# Altium PCB MB1397.PcbDoc (part 9 of 11) (continued)
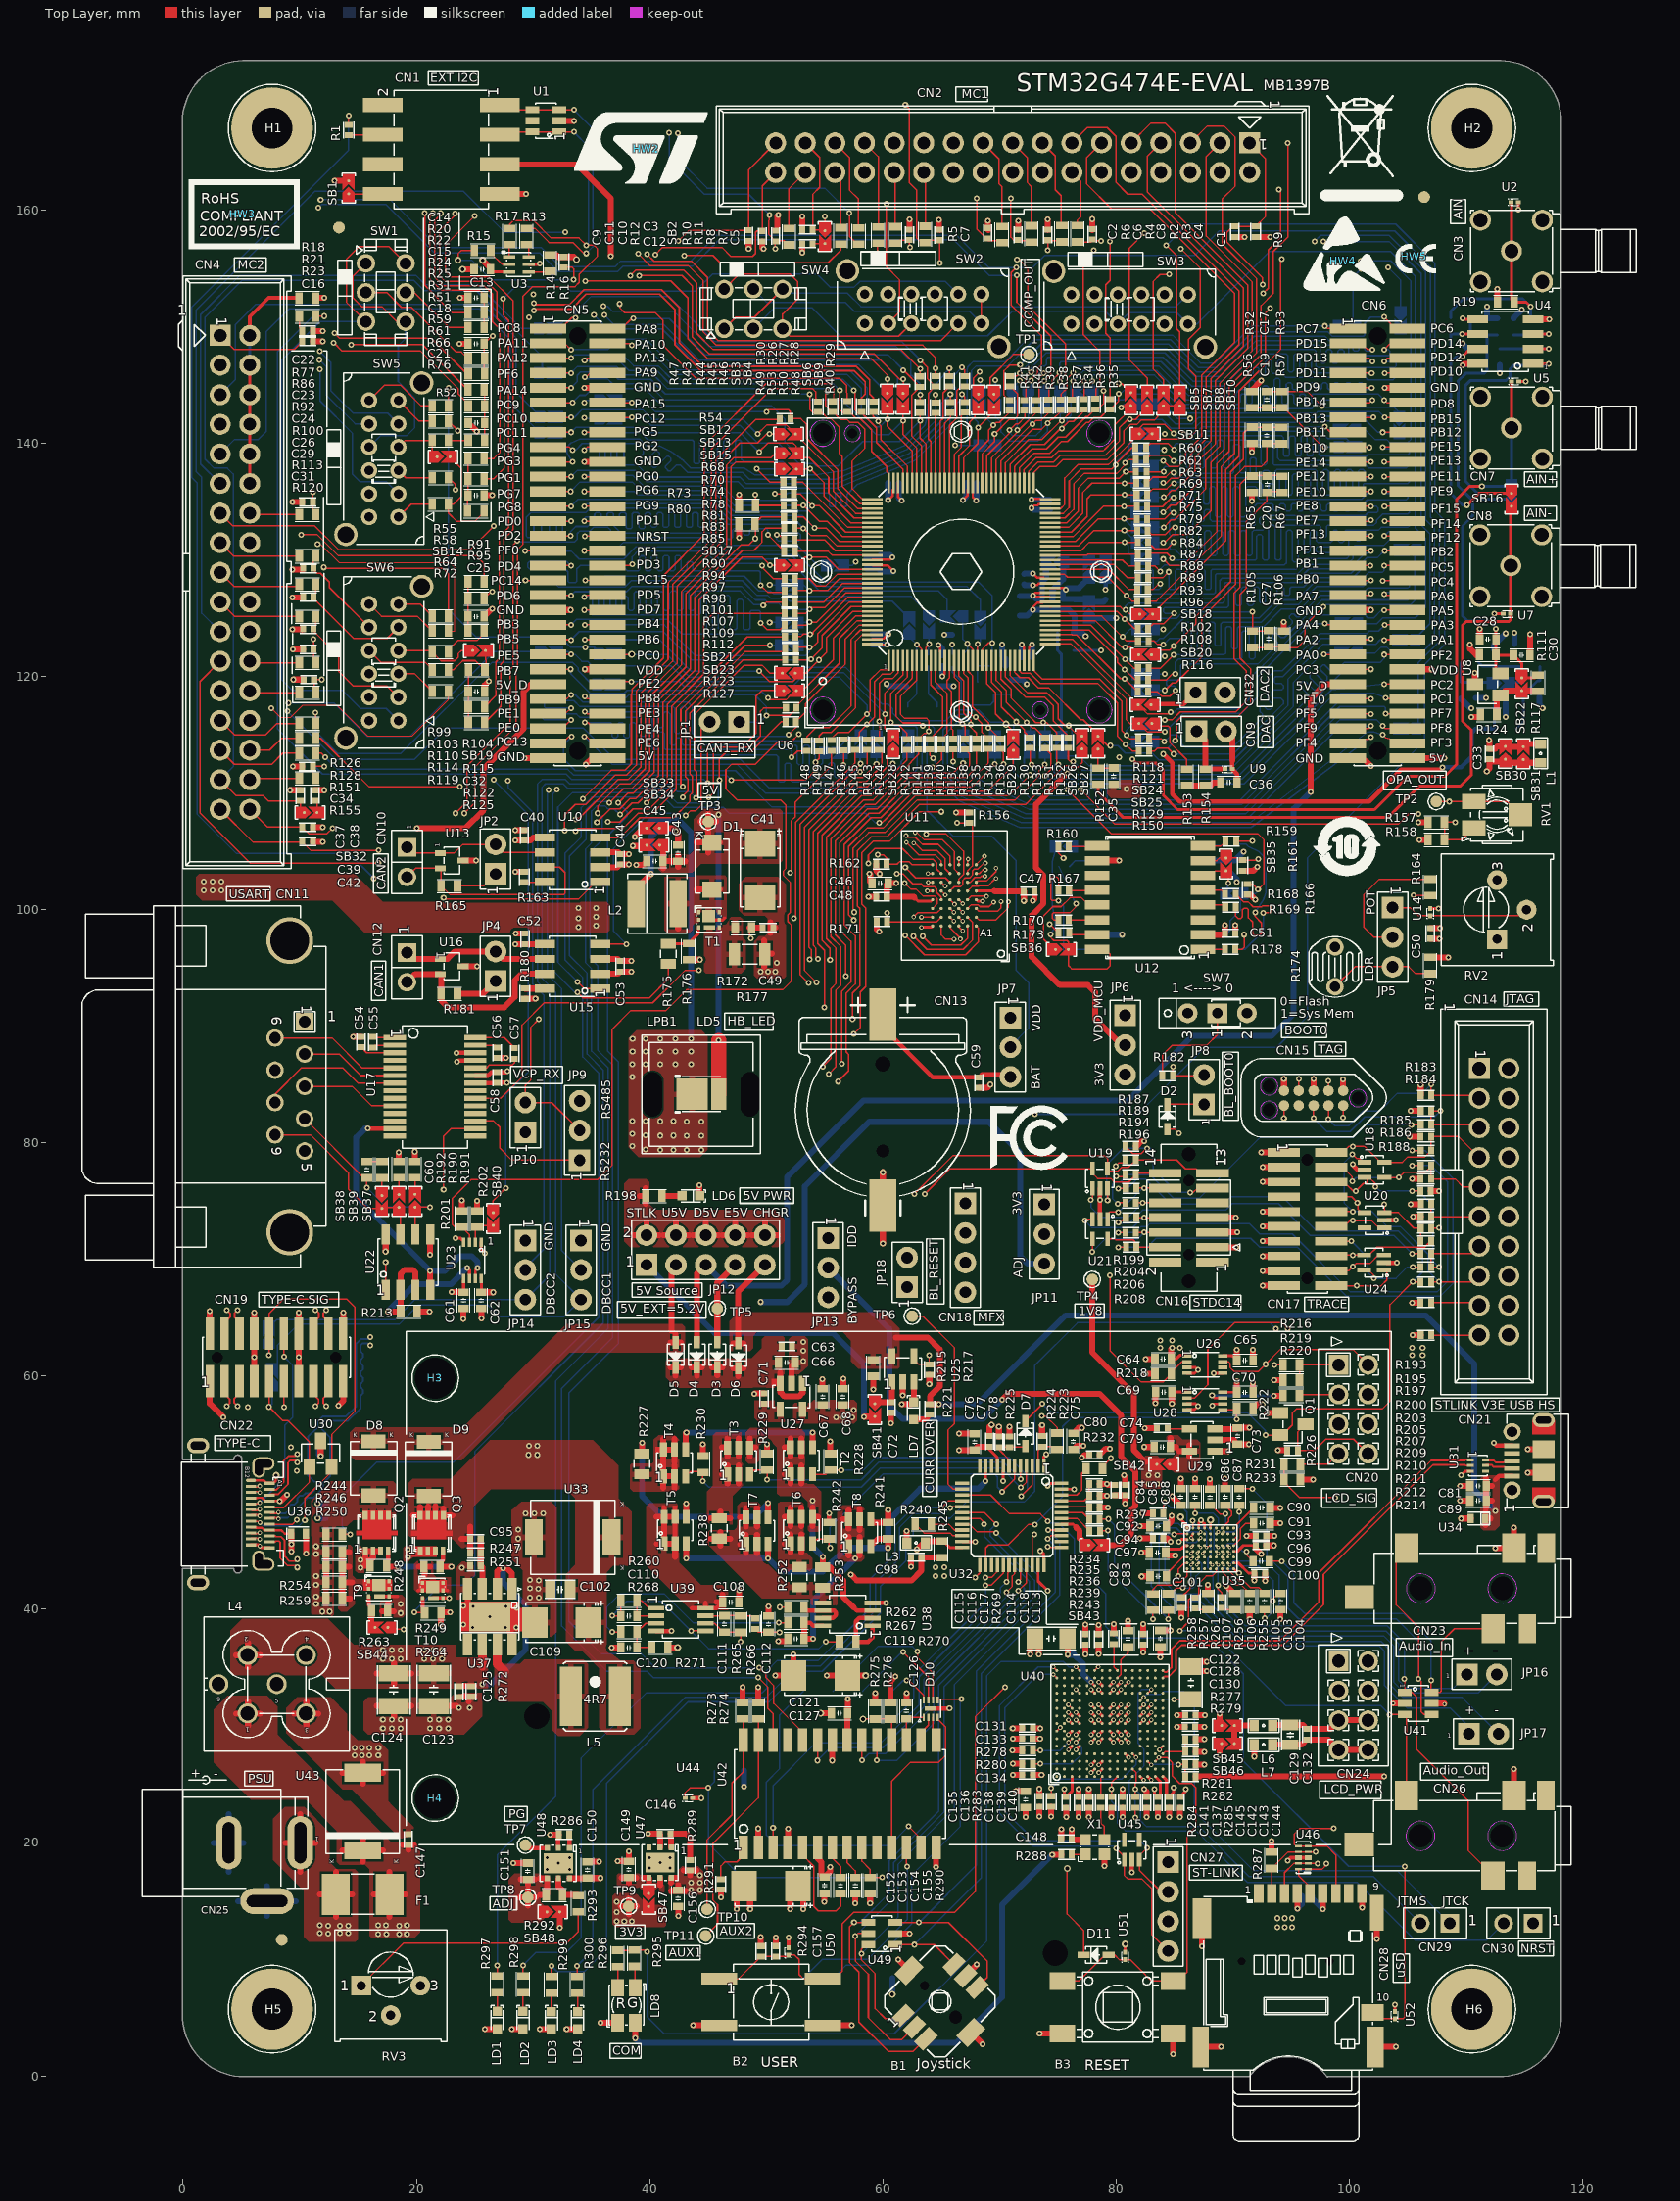
[diagram p0: Top Layer view]
## Nets (pads, with @x,y where several pads share a name; then routed paths per layer and width w, separated by ;. In a path a pad name is that pad's centre, name@x,y a point inside that pad or via, vN(x,y) a via of type N, cw(c..) or ccw(c..) an arc to the next point about the centre after c; other vN are vias at no path point) (continued)
  Bottom Layer w0.127: v1(75.352,141.912) v1@75.184,142.08 ; v1@75.184,142.08 75.184,143.121 SB56.2@75.183,143.123 75.181,142.083 v1@75.184,142.08
PD10: R38.1 SB60.2 U6.72 | length 16.5
  Top Layer w0.127: U6.72@70.103,136.586 70.104,136.586 70.104,138.43 70.122,138.448 70.122,138.46 72.809,141.148 72.822,141.148 72.837,141.163 73.576,141.163 v1(74.122,141.712) 74.483,142.072 74.612,142.072 R38.1@75.26,142.718
  Bottom Layer w0.127: SB60.2@69.647,143.064 69.647,142.257 70.126,141.779 70.126,140.941 70.884,140.183 73.304,140.183 74.122,141 v1(74.122,141.712)
PD11: R39.1 SB58.2 U6.73 | length 9.9
  Top Layer w0.127: U6.73@69.703,136.586 69.703,138.582 72.662,141.544 72.664,141.544 72.753,141.633 v1(72.822,141.633) 73.139,141.95 73.581,141.95 74.247,142.613 R39.1@74.247,142.707
  Bottom Layer w0.127: SB58.2@72.479,143.116 72.479,141.976 v1(72.822,141.633)
PD12: R42.1 SB59.2 U6.74 | length 10
  Top Layer w0.127: U6.74@69.303,136.586 69.301,138.722 71.511,140.932 v1(71.511,141.107) 71.625,141.221 71.745,141.221 73.203,142.677 R42.1@73.203,142.679
  Bottom Layer w0.127: SB59.2@71.096,143.116 71.095,143.116 71.511,142.7 v1(71.511,141.107)
PD13: R41.1 SB57.2 U6.75 | length 12.9
  Top Layer w0.127: U6.75@68.903,136.586 68.903,138.9 70.838,140.838 v1(70.838,141.094) 71.371,141.628 71.575,141.628 72.154,142.207 R41.1@72.154,142.677
  Bottom Layer w0.127: v1(70.838,141.094) 70.838,140.896 71.095,140.64 73.127,140.64 73.581,141.094 73.581,142.866 SB57.2@73.831,143.116
PD14: R29.1 SB70.2 U6.76 | length 11
  Top Layer w0.127: U6.76@68.503,136.586 68.504,136.586 68.504,139.065 69.568,140.129 v1(69.568,140.764) 70.836,142.032 71.267,142.032 71.524,142.291 71.524,144.242 R29.1@70.927,144.836
  Bottom Layer w0.127: SB70.2@69.532,139.748 69.532,140.729 v1(69.568,140.764)
PD15: R40.1 SB61.2 U6.77 | length 9.4
  Top Layer w0.127: U6.77@68.103,136.586 68.102,139.299 69.06,140.259 69.06,141.112 v1(69.469,141.521) 69.705,141.755 69.98,141.755 70.9,142.678 70.902,142.679 R40.1@70.902,142.677
  Bottom Layer w0.127: SB61.2@68.329,143.076 68.331,143.076 68.331,142.662 v1(69.469,141.521)
PD_DBCC1: JP15.2 SB54.1 | length 125.5
  L4_SIG w0.102: v1(31.341,110.259) 31.112,110.03 26.388,110.03 24.635,111.783 24.635,139.57 31.493,146.428 31.493,148.717 32.916,150.139 32.916,151.229 33.373,151.686 35.4,151.686 v1(36.101,150.985)
  Bottom Layer w0.127: v1(31.341,110.259) 31.239,110.157 31.239,94.409 32.459,93.19 32.459,70.744 JP15.2@34.117,69.088 ; v1(36.101,150.985) 36.924,150.162 41.201,150.162 44.282,147.081 59.873,147.081 61.237,145.717 61.237,144.734 SB54.1@61.721,144.251
PD_DBCC2: JP14.2 SB53.1 | length 120
  L4_SIG w0.102: v1(27.849,111.046) 27.468,110.665 26.261,110.665 24.94,111.986 24.94,139.266 31.941,146.266 31.941,148.735 33.221,150.012 33.221,150.975 33.627,151.381 34.821,151.381 v1(35.215,150.988)
  Bottom Layer w0.127: v1(27.849,111.046) 27.849,110.475 29.982,108.341 29.982,93.609 30.935,92.657 30.935,70.884 JP14.2@29.337,69.286 ; v1(35.215,150.988) 36.421,149.781 41.044,149.781 44.125,146.7 57.953,146.7 SB53.1@60.376,144.28 SB53.1@60.376,144.277
PE0: R148.2 U6.125 | length 13.1
  Top Layer w0.127: R148.2@53.467,114.488 53.467,114.811 54.259,115.603 55.402,115.603 57.277,117.478 57.277,123.175 58.067,123.965 U6.125@59.083,123.966
PE1: R149.2 U6.126 | length 11.5
  Top Layer w0.127: R149.2@54.534,114.471 54.534,114.889 54.834,115.189 55.55,115.189 57.658,117.297 57.658,123.015 58.209,123.566 U6.126@58.644,123.566
PE2: CN5.50 R147.2 SB103.2 SB111.2 U6.1 | length 38.3
  Top Layer w0.127: CN5.50@36.385,119.331 37.541,119.329 37.755,119.543 v1(38.415,119.543) ; R147.2@55.601,114.521 55.601,114.691 56.096,115.189 57.074,115.189 v1(58.646,116.761) 58.903,117.018 58.903,119.685 59.764,120.546 60.376,120.546 60.503,120.673 U6.1@60.503,121.346
  Bottom Layer w0.127: SB103.2@36.896,119.304 37.135,119.543 v1(38.415,119.543) 42.53,119.543 42.898,119.174 52.294,119.174 52.662,119.543 52.664,119.543 53.058,119.936 56.233,119.936 58.646,117.523 v1(58.646,116.761) 59.154,116.253 59.154,115.098 59.446,114.805 SB111.2@59.446,114.803
PE3: R145.2 R146.2 SB110.2 SB118.2 U6.2 | length 13
  Top Layer w0.127: R146.2@56.617,114.555 57.589,114.554 57.988,114.953 57.988,115.219 v1(58.644,115.875) 59.284,116.515 59.284,119.525 59.921,120.165 60.65,120.165 60.902,120.416 U6.2@60.903,121.346
  Bottom Layer w0.127: SB118.2@56.353,113.411 56.352,114.01 57.158,114.816 58.09,114.816 SB110.2@58.09,114.813 ; 58.09,115.321 v1(58.644,115.875)
PE4: R143.2 R144.2 SB107.2 SB109.2 U6.3 | length 11.9
  Top Layer w0.127: R143.2@58.649,114.588 58.656,114.579 R144.2@59.665,114.581 59.685,114.6 v1(59.685,116.129) 59.685,119.388 60.081,119.784 60.81,119.784 61.303,120.277 U6.3@61.303,121.346
  Bottom Layer w0.127: v1(59.685,116.129) 60.858,114.955 ; SB107.2@60.858,114.824 62.202,114.823 SB109.2@62.202,114.821
PE5: CN5.45 SB28.2 SB97.2 U6.4 | length 40.5
  Top Layer w0.127: CN5.45@31.285,121.871 v1(33.246,121.869) ; SB28.2@60.858,114.824 60.17,115.512 v1(60.17,116.761) 60.17,118.557 61.702,120.089 U6.4@61.703,121.346
  Bottom Layer w0.127: SB97.2@31.941,122.095 33.023,122.095 v1(33.246,121.869) 33.599,121.869 34.183,121.285 34.671,121.285 35.052,120.904 41.808,120.904 43.157,119.555 52.136,119.555 52.898,120.317 56.614,120.317 v1(60.17,116.761)
PE6: CN5.58 R142.2 U6.5 | length 47.7
  Top Layer w0.127: v1(34.414,114.831) 34.618,114.831 35.199,114.249 CN5.58@36.385,114.251 ; R142.2@62.052,114.605 62.052,115.108 61.338,115.821 60.907,115.821 v1(60.703,116.025) 60.678,116.05 60.678,118.524 62.103,119.949 U6.5@62.103,121.346
  Bottom Layer w0.127: v1(34.414,114.831) 36.777,112.469 47.445,112.469 49.959,109.954 60.856,109.954 62.939,112.037 62.939,115.567 62.761,115.745 60.983,115.745 v1(60.703,116.025)
PE7: R84.2 SB83.2 U6.53 | length 9.9
  Top Layer w0.127: U6.53@74.323,130.766 74.323,130.767 76.967,130.767 77.694,131.491 v1@80.721,131.491 ; v1(80.726,131.496) v1@80.721,131.491 ; R84.2@81.837,131.489 81.785,131.491 v1@80.721,131.491
  Bottom Layer w0.127: v1(80.726,131.496) 81.018,131.204 81.018,130.64 81.613,130.045 SB83.2@81.879,130.046
PE8: R82.2 SB79.2 U6.54 | length 9.6
  Top Layer w0.127: U6.54@74.323,131.166 74.325,131.168 74.341,131.186 76.766,131.186 78.064,132.481 v1@80.696,132.481 ; v1(80.696,132.486) v1@80.696,132.481 ; R82.2@81.8,132.48 81.75,132.481 v1@80.696,132.481
  Bottom Layer w0.127: v1(80.696,132.486) 81.275,131.905 81.432,131.905 SB79.2@81.867,131.47
PE9: R79.2 SB78.2 U6.55 | length 9.7
  Top Layer w0.127: U6.55@74.323,131.566 74.323,131.567 76.528,131.567 78.458,133.497 v1(80.67,133.497) 81.702,133.497 R79.2@81.761,133.473
  Bottom Layer w0.127: v1(80.67,133.497) 81.402,132.766 SB78.2@81.867,132.766
PE10: R75.2 SB77.2 U6.56 | length 10
  Top Layer w0.127: U6.56@74.323,131.966 76.297,131.966 78.918,134.587 v1@80.67,134.587 ; v1(80.67,134.569) v1@80.67,134.587 ; R75.2@81.758,134.536 R75.2@81.758,134.587 ; R75.2@81.77,134.587 R75.2@81.758,134.587 ; v1@80.67,134.587 R75.2@81.758,134.587
  Bottom Layer w0.127: v1(80.67,134.569) 80.823,134.417 81.41,134.417 SB77.2@81.852,133.975
PE11: R71.2 SB76.2 U6.57 | length 10.8
  Top Layer w0.127: U6.57@74.323,132.366 76.154,132.364 77.495,133.706 77.495,135.207 77.848,135.56 v1(80.721,135.56) R71.2@81.744,135.56
  Bottom Layer w0.127: v1(80.721,135.56) 80.924,135.357 SB76.2@81.85,135.357
PE12: R69.2 SB74.2 U6.58 | length 11.2
  Top Layer w0.127: U6.58@74.323,132.766 75.928,132.766 77.114,133.952 77.114,135.738 77.927,136.55 v1(80.721,136.55) R69.2@81.719,136.55
  Bottom Layer w0.127: v1(80.721,136.55) 81.717,136.55 SB74.2@81.845,136.679
PE13: R63.2 SB73.2 U6.59 | length 11.1
  Top Layer w0.127: U6.59@74.323,133.166 74.323,133.167 75.789,133.167 76.733,134.112 76.733,136.119 77.572,136.957 80.239,136.957 v1(80.823,137.541) R63.2@81.699,137.541
  Bottom Layer w0.127: v1(80.823,137.541) 80.874,137.541 81.349,138.016
PE14: R62.2 SB72.2 U6.60 | length 12.5
  Top Layer w0.127: U6.60@74.323,133.566 75.611,133.566 76.352,134.308 76.352,136.497 77.241,137.386 80.033,137.386 80.767,138.12 v1(80.767,138.3) 81.049,138.582 R62.2@81.668,138.582
  Bottom Layer w0.127: v1(80.767,138.3) 80.767,138.501 81.636,139.37 SB72.2@81.899,139.37
PE15: R60.2 SB69.2 U6.61 | length 14.7
  Top Layer w0.127: U6.61@74.323,133.966 75.468,133.965 75.971,134.468 75.971,136.756 76.987,137.771 79.628,137.771 v1(79.969,138.113) 80.033,138.176 80.033,138.275 81.331,139.573 R60.2@81.649,139.573
  Bottom Layer w0.127: v1(79.969,138.113) 80.033,138.176 80.033,138.402 81.11,139.479 81.11,139.914 ; 81.183,139.987 81.11,139.914 ; SB69.2@81.91,140.787 SB69.2@81.976,140.787 ; SB69.2@81.978,140.788 81.11,139.92 81.11,139.914
PF0: C172.1 R312.2 R317.2 SB82.1 U6.19 | length 6.3
  Top Layer w0.127: v1(67.246,122.784) 67.704,122.329 67.704,121.346 U6.19@67.703,121.346
  Bottom Layer w0.127: SB82.1@66.607,125.146 66.853,124.9 C172.1@66.853,123.571 66.853,123.177 v1(67.246,122.784) 67.246,122.26 66.853,121.867 R317.2@66.853,120.866
PF0_E: CN5.31 SB82.2 | length 42.2
  Top Layer w0.127: v1(29.309,130.734) 29.334,130.759 CN5.31@31.285,130.761
  Bottom Layer w0.127: v1(29.309,130.734) 30.742,130.734 30.742,130.731 31.841,130.731 31.841,130.734 31.976,130.734 31.976,130.731 33.274,130.731 33.957,130.048 37.77,130.048 38.834,131.112 44.882,131.112 45.946,130.048 51.836,130.048 54.582,127.302 64.773,127.302 65.507,126.568 SB82.2@65.507,125.146
PF1: R313.2 SB81.2 U6.20 | length 3.5
  Top Layer w0.127: U6.20@68.103,121.346 v1(68.102,122.743)
  Bottom Layer w0.127: R313.2@68.103,121.796 v1(68.102,122.743) 68.351,122.992 SB81.2@68.351,123.811
PF1_E: CN5.32 SB81.1 | length 40
  Top Layer w0.127: v1(34.389,130.759) CN5.32@36.385,130.761
  Bottom Layer w0.127: v1(34.389,130.759) 34.44,130.81 37.071,130.81 37.755,131.493 45.184,131.493 46.248,130.429 52.09,130.429 54.836,127.683 67.223,127.683 68.351,126.555 SB81.1@68.351,124.911
PF2: R132.1 U6.26 | length 9.8
  Top Layer w0.127: U6.26@70.503,121.346 70.503,119.926 72.212,118.217 73.856,118.217 74.601,117.471 74.601,116.178 75.888,114.892 R132.1@75.888,114.75
PF3: R139.1 U6.10 | length 7.6
  Top Layer w0.127: R139.1@64.028,114.623 65.123,115.717 65.123,118.234 64.102,119.256 U6.10@64.103,121.346
PF4: R140.1 U6.11 | length 7.3
  Top Layer w0.127: U6.11@64.503,121.346 64.503,119.517 65.105,118.915 65.105,118.908 65.504,118.509 65.504,115.11 R140.1@65.016,114.623
PF5: R137.1 U6.14 | length 7
  Top Layer w0.127: U6.14@65.703,121.346 65.702,121.117 65.717,121.102 65.717,119.868 65.702,119.852 65.486,119.634 65.486,119.065 65.885,118.666 65.885,115.491 66.015,115.364 R137.1@66.015,114.648
PF6: CN5.7 R43.1 SB52.2 U6.97 | length 39.5
  Top Layer w0.127: CN5.7@31.285,146.001 31.285,146.002 v1(33.246,146.002) ; v1(55.235,144.447) 55.067,144.28 55.067,143.231 55.697,142.601 55.776,142.601 56.342,142.034 56.896,142.034 57.147,141.783 57.848,141.783 58.42,141.211 58.42,139.522 57.356,138.458 57.356,136.065 58.255,135.166 59.083,135.166 U6.97@59.083,135.166
  Bottom Layer w0.127: SB52.2@31.941,145.971 33.216,145.971 v1(33.246,146.002) 33.777,146.533 37.186,146.533 37.874,145.844 40.333,145.844 41.526,144.65 55.032,144.65 v1(55.235,144.447)
PF7: R138.1 SB108.2 U6.15 | length 8.2
  Top Layer w0.127: R138.1@67.039,114.648 67.038,115.689 v1(66.827,115.9) 66.548,116.18 66.548,119.456 66.472,119.532 66.472,119.537 66.103,119.906 U6.15@66.103,121.343 ; U6.15@66.103,121.343 U6.15@66.103,121.346 66.103,121.346 U6.15@66.103,121.343
  Bottom Layer w0.127: v1(66.827,115.9) 66.878,115.849 SB108.2@66.878,114.815
PF8: CN6.56 R135.1 SB106.2 U6.16 | length 59
  Top Layer w0.127: U6.16@66.503,121.346 66.502,120.043 66.929,119.616 66.929,116.83 67.539,116.215 v1(67.539,115.872) 67.539,115.616 68.016,115.138 R135.1@68.016,114.665 ; v1(102.842,115.745) 103.068,115.519 CN6.56@104.965,115.521
  Bottom Layer w0.127: v1(67.539,115.872) 67.539,115.976 67.165,116.35 66.667,116.35 66.662,116.345 66.642,116.345 65.529,115.232 65.529,112.006 66.822,110.714 72.235,108.227 91.13,108.227 99.157,116.253 102.334,116.253 v1(102.842,115.745) 103.066,115.519 SB106.2@104.365,115.521
PF9: CN6.55 R134.1 U6.17 | length 57.9
  Top Layer w0.127: U6.17@66.903,121.346 66.904,121.346 66.904,120.251 67.31,119.845 67.31,116.99 67.803,116.495 v1(67.937,116.495) 68.489,115.943 68.489,115.197 R134.1@69.012,114.674 ; CN6.55@99.865,115.521 101.6,115.519 v1(101.826,115.745)
  Bottom Layer w0.127: v1(67.937,116.495) 67.8,116.495 67.559,116.738 66.495,116.738 65.275,115.519 65.275,115.517 65.148,115.39 65.148,111.783 66.711,110.221 72.108,107.82 91.283,107.82 99.207,115.745 v1(101.826,115.745)
PF10: R136.1 SB112.2 U6.18 | length 8.9
  Top Layer w0.127: U6.18@67.303,121.346 67.302,120.426 67.691,120.038 67.691,117.371 69.06,116.002 v1(69.06,115.593) 69.091,115.593 69.218,115.466 69.218,115.463 70.015,114.666 70.028,114.666 R136.1@70.029,114.665
  Bottom Layer w0.127: v1(69.06,115.593) 69.604,115.049 SB112.2@69.604,114.757
PF11: CN6.31 R96.1 U6.48 | length 35
  Top Layer w0.127: U6.48@74.323,128.766 75.557,128.765 75.823,128.499 79.294,128.499 v1(80.871,126.921) ; CN6.31@99.865,130.761 v1(101.826,130.759) ; v1(80.871,126.921) 81.343,126.451 81.811,126.451 R96.1@81.812,126.451 81.341,126.449 v1(80.871,126.921)
  Bottom Layer w0.127: v1(80.871,126.921) 81.123,126.667 88.522,126.667 88.885,127.03 88.885,128.204 89.101,128.42 95.743,128.42 96.53,129.207 99.987,129.207 101.318,130.541 101.608,130.541 v1(101.826,130.759)
PF12: R93.1 U6.49 | length 8.2
  Top Layer w0.127: U6.49@74.323,129.166 74.323,129.167 79.345,129.167 81.054,127.455 R93.1@81.812,127.455
PF13: R89.1 U6.50 | length 8
  Top Layer w0.127: U6.50@74.323,129.566 79.84,129.565 80.962,128.443 81.791,128.443 R89.1@81.842,128.441
PF14: R88.1 U6.51 | length 7.7
  Top Layer w0.127: U6.51@74.323,129.966 74.323,129.967 80.536,129.967 81.041,129.459 81.785,129.459 R88.1@81.837,129.457
PF15: R87.1 U6.52 | length 7.6
  Top Layer w0.127: U6.52@74.323,130.366 77.457,130.366 77.561,130.47 81.803,130.47 R87.1@81.855,130.468
PG0: R48.1 U6.82 | length 6.4
  Top Layer w0.127: R48.1@67.003,142.624 66.708,142.329 66.708,142.11 66.698,142.1 66.698,139.609 66.103,139.014 U6.82@66.103,136.586 ; U6.82@66.103,136.586 U6.82@66.103,136.586 66.103,136.583 U6.82@66.103,136.586
PG1: R28.1 U6.83 | length 9
  Top Layer w0.127: U6.83@65.703,136.586 65.702,141.506 66.317,142.118 66.317,142.258 66.327,142.268 66.327,143.835 66.317,143.845 66.317,144.447 66.705,144.838 67.003,144.838 R28.1@67.003,144.838
PG2: R50.1 U6.84 | length 6.4
  Top Layer w0.127: U6.84@65.301,136.586 U6.84@65.303,136.586 65.303,141.707 65.786,142.189 R50.1@65.786,142.603 R50.1@65.786,142.827
PG3: R27.1 U6.85 | length 8.6
  Top Layer w0.127: U6.85@64.903,136.586 64.902,141.859 65.151,142.108 65.151,144.287 65.702,144.838 R27.1@65.703,144.838
PG4: R53.1 U6.86 | length 6
  Top Layer w0.127: R53.1@64.501,142.574 64.501,142.575 64.503,142.575 U6.86@64.503,136.586
PG5: R68.1 U6.103 | length 8.3
  Top Layer w0.127: R68.1@52.368,136.627 53.132,136.627 56.993,132.766 U6.103@59.083,132.766
PG6: CN5.24 R70.1 U6.104 | length 30.5
  Top Layer w0.127: v1(34.389,135.842) 36.386,135.842 CN5.24@36.385,135.841 ; R70.1@52.369,135.636 R70.1@52.369,135.636 52.906,135.636 v1(53.922,134.617) 54.552,134.617 56.805,132.364 U6.104@59.083,132.366
  Bottom Layer w0.127: v1(34.389,135.842) 38.677,135.842 38.961,135.557 45.789,135.557 47.186,134.16 53.464,134.16 v1(53.922,134.617)
PG7: CN5.23 R74.1 U6.105 | length 30.9
  Top Layer w0.127: CN5.23@31.285,135.841 31.285,135.842 v1(33.216,135.842) ; R74.1@52.394,134.645 v1(53.185,134.645) 54.534,133.297 55.212,133.297 56.543,131.966 U6.105@59.083,131.966
  Bottom Layer w0.127: v1(33.216,135.842) 34.026,136.652 38.501,136.652 39.215,135.938 45.946,135.938 47.239,134.645 v1(53.185,134.645)
PG8: CN5.25 R78.1 U6.106 | length 31.7
  Top Layer w0.127: CN5.25@31.285,134.571 v1(33.246,134.569) ; R78.1@52.41,133.666 53.185,133.665 v1(54.145,132.707) 55.126,132.707 56.266,131.567 59.083,131.567 U6.106@59.083,131.566
  Bottom Layer w0.127: v1(33.246,134.569) 33.853,135.176 45.631,135.176 47.028,133.779 53.068,133.779 v1(54.145,132.707)
PG9: CN5.26 R81.1 U6.107 | length 29.1
  Top Layer w0.127: v1(34.389,134.569) CN5.26@36.385,134.571 ; R81.1@52.422,132.69 v1(53.185,132.69) 53.8,132.075 55.148,132.075 56.058,131.166 U6.107@59.083,131.166
  Bottom Layer w0.127: v1(34.389,134.569) 34.615,134.795 45.471,134.795 46.868,133.398 52.474,133.398 v1(53.185,132.69)
QSPI_BK1_IO0: CN6.33 R102.2 R173.2 | length 89.3
  Top Layer w0.127: v1(74.295,98.755) 75.062,97.991 R173.2@75.087,97.965 ; R102.2@82.744,124.079 83.172,124.508 84.071,124.508 v1(84.96,125.397) ; CN6.33@99.865,129.491 v1(101.798,129.489)
  L4_SIG w0.102: v1(74.295,98.755) 74.295,101.168 74.902,101.775 82.309,101.775 85.433,103.375 90.167,103.375 90.597,103.805 90.597,103.95 90.449,104.097 90.449,104.242 90.594,104.386 90.736,104.386 90.886,104.237 91.029,104.237 91.869,105.077 92.707,105.077 97.533,109.903 97.533,118.617 98.536,119.619 98.539,119.619 100.399,121.48 100.399,123.081 102.334,125.016 102.334,129.334 102.179,129.489 v1(101.798,129.489)
  Bottom Layer w0.127: v1(84.96,125.397) 84.173,125.397 84.046,125.524 84.046,125.778 84.173,125.905 89.507,125.905 89.647,126.045 89.647,127.531 89.774,127.658 90.114,127.658 90.241,127.531 90.241,126.19 90.368,126.063 90.622,126.063 90.749,126.19 90.749,127.531 90.876,127.658 91.13,127.658 91.257,127.531 91.257,126.19 91.384,126.063 91.638,126.063 91.765,126.19 91.765,127.531 91.892,127.658 92.146,127.658 92.273,127.531 92.273,126.444 92.4,126.317 92.654,126.317 92.781,126.444 92.781,127.531 92.908,127.658 93.175,127.658 93.302,127.531 93.302,127.048 93.429,126.921 93.683,126.921 93.81,127.048 93.81,127.531 93.937,127.658 94.262,127.658 94.389,127.531 94.389,127.048 94.516,126.921 94.77,126.921 94.897,127.048 94.897,127.531 95.024,127.658 96.058,127.658 96.845,128.445 100.302,128.445 101.346,129.489 v1(101.798,129.489)
QSPI_BK1_IO1: CN6.35 R108.2 R159.1 | length 90.2
  Top Layer w0.127: R108.2@82.771,123.018 83.251,123.017 83.538,122.73 v1(84.046,122.73) ; R159.1@90.28,105.861 90.282,105.862 v1(91.666,105.862) ; CN6.35@99.865,128.221 v1(101.826,128.219)
  L4_SIG w0.102: v1(91.666,105.862) 91.841,105.687 92.149,105.687 92.25,105.788 92.25,105.941 91.76,106.431 91.76,106.573 91.869,106.683 92.014,106.683 92.659,106.037 92.804,106.037 92.946,106.18 92.946,106.324 92.301,106.97 92.301,107.114 92.443,107.257 92.588,107.257 93.236,106.611 93.378,106.611 93.523,106.756 93.523,106.898 92.875,107.546 92.875,107.688 93.02,107.833 93.165,107.833 93.81,107.185 93.955,107.185 94.097,107.33 94.097,107.475 93.452,108.12 93.452,108.265 93.594,108.407 93.739,108.407 94.384,107.762 94.529,107.762 94.673,107.904 94.673,108.049 94.026,108.697 94.026,108.839 94.17,108.984 94.313,108.984 94.96,108.336 95.103,108.336 95.247,108.481 95.247,108.623 94.602,109.271 94.602,109.416 94.745,109.558 94.889,109.558 95.534,108.913 95.679,108.913 95.822,109.055 95.822,109.2 95.176,109.845 95.176,109.99 95.303,110.117 95.448,110.117 96.042,109.522 96.185,109.522 96.329,109.667 96.329,109.812 95.799,110.34 95.799,110.612 95.943,110.757 96.086,110.757 96.337,110.505 96.482,110.505 96.624,110.647 96.624,110.792 96.373,111.044 96.373,111.186 96.855,111.669 96.855,111.714 96.924,111.783 96.924,118.869 99.592,121.537 ; 99.048,120.993 99.593,121.537 ; 99.594,121.537 99.593,121.537 ; v1(101.826,128.219) 101.826,128.422 101.724,128.524 101.369,128.524 101.267,128.422 101.267,127.15 101.14,127.023 99.87,127.023 99.769,126.921 99.769,126.693 99.87,126.591 101.14,126.591 101.242,126.489 101.242,126.286 101.14,126.185 99.87,126.185 99.769,126.083 99.769,125.88 99.87,125.778 100.962,125.778 101.064,125.677 101.064,125.473 100.962,125.372 99.87,125.372 99.769,125.27 99.769,125.067 99.87,124.965 100.962,124.965 101.064,124.864 101.064,124.661 100.962,124.559 99.87,124.559 99.695,124.384 99.695,121.64 99.593,121.537
  Bottom Layer w0.127: v1(84.046,122.73) 84.077,122.73 84.585,123.238 85.712,123.238 85.839,123.365 85.839,124.493 85.982,124.635 86.314,124.635 86.441,124.508 86.441,122.349 86.568,122.222 86.822,122.222 86.949,122.349 86.949,124.508 87.076,124.635 87.33,124.635 87.457,124.508 87.457,122.349 87.584,122.222 87.838,122.222 87.965,122.349 87.965,124.508 88.092,124.635 88.346,124.635 88.473,124.508 88.473,122.73 88.6,122.603 88.854,122.603 88.981,122.73 88.981,124.508 89.108,124.635 92.428,124.635 93.952,126.159 95.636,126.159 97.16,127.683 101.161,127.683 101.415,127.937 101.417,127.937 101.699,128.219 v1(101.826,128.219)
QSPI_BK1_IO2: CN6.37 R118.1 R160.2 | length 88.2
  Top Layer w0.127: R160.2@75.047,105.408 75.047,104.856 v1(75.486,104.417) ; R118.1@82.746,119.667 84.285,119.667 84.808,120.19 v1(85.062,120.19) ; CN6.37@99.865,126.951 101.727,126.949 v1(101.851,127.074)
  L4_SIG w0.102: v1(75.486,104.417) 75.486,102.436 75.481,102.431 75.481,102.288 75.613,102.156 82.23,102.156 85.049,103.68 85.796,103.68 85.898,103.782 85.898,104.01 85.999,104.112 86.203,104.112 86.304,104.01 86.304,103.782 86.406,103.68 86.68,103.68 86.782,103.782 86.782,104.341 86.883,104.442 87.086,104.442 87.188,104.341 87.188,103.782 87.29,103.68 87.493,103.68 87.594,103.782 87.594,104.341 87.696,104.442 87.899,104.442 88.001,104.341 88.001,103.782 88.102,103.68 88.306,103.68 88.407,103.782 88.407,104.341 88.509,104.442 88.712,104.442 88.814,104.341 88.814,103.782 88.915,103.68 89.118,103.68 89.22,103.782 89.22,104.341 89.322,104.442 89.525,104.442 89.626,104.341 89.626,103.782 89.728,103.68 89.964,103.68 90.091,103.807 90.091,104.772 90.701,105.382 92.58,105.382 97.229,110.03 97.229,118.743 98.41,119.924 98.412,119.924 100,121.512 100,124.003 100.175,124.178 101.064,124.178 101.394,124.508 101.394,125.956 101.851,126.413 v1(101.851,127.074)
  Bottom Layer w0.127: v1(85.062,120.19) 85.062,121.206 85.316,121.46 90.65,121.46 90.777,121.587 90.777,123.746 90.904,123.873 91.26,123.873 91.387,123.746 91.387,121.618 91.514,121.491 91.768,121.491 91.895,121.618 91.895,123.746 92.022,123.873 92.403,123.873 92.53,123.746 92.53,122.507 92.657,122.38 92.911,122.38 93.038,122.507 93.038,124 93.165,124.127 94.684,124.127 95.113,124.557 95.113,124.737 94.861,124.986 94.861,125.164 95.042,125.344 95.222,125.344 95.471,125.095 95.651,125.095 97.478,126.921 101.699,126.921 v1(101.851,127.074)
QSPI_BK1_IO3: CN6.38 R121.1 R178.1 | length 88.5
  Top Layer w0.127: R121.1@82.734,118.684 83.505,118.684 83.905,118.285 84.597,118.285 v1(85.085,118.773) ; R178.1@90.212,96.569 90.777,96.568 90.98,96.771 v1(90.98,97.838) ; v1(102.969,127.048) 103.068,126.949 CN6.38@104.965,126.951
  L4_SIG w0.102: v1(90.98,97.838) 90.828,97.686 86.484,97.686 86.383,97.787 86.383,99.921 86.256,100.048 86.02,100.048 85.918,99.946 85.918,97.787 85.816,97.686 85.545,97.686 85.443,97.787 85.443,100.912 85.778,101.247 91.062,101.247 92.024,102.207 92.733,102.207 99.21,108.684 99.21,117.958 101.369,120.114 102.179,120.114 102.334,120.269 102.334,121.214 102.232,121.315 102.232,122.4 102.436,122.603 102.436,123.645 102.537,123.746 103.452,123.746 103.604,123.899 103.604,126.896 103.452,127.048 v1(102.969,127.048)
  Bottom Layer w0.127: v1(85.085,118.773) 85.085,119.047 84.958,119.174 84.427,119.174 84.3,119.301 84.3,119.555 84.427,119.682 85.316,119.682 85.507,119.873 85.507,120.889 85.697,121.079 92.174,121.079 93.825,122.73 93.825,122.911 93.419,123.317 93.419,123.53 93.581,123.693 93.762,123.693 94.122,123.332 94.427,123.332 97.635,126.54 105.001,126.54 105.128,126.667 105.128,127.048 105.001,127.175 103.096,127.175 v1(102.969,127.048)
QSPI_BK1_NCS: CN6.43 R150.1 R161.2 SB35.1 U12.7 | length 85.3
  Top Layer w0.127: R150.1@82.718,113.713 R150.1@82.845,113.84 ; R150.1@82.822,113.6 83.298,113.6 83.538,113.84 84.427,113.84 v1(84.935,113.332) ; U12.7@87.454,104.189 88.618,104.188 88.839,104.412 SB35.1@89.418,104.412 89.444,104.437 89.761,104.437 ; 90.079,104.437 89.761,104.437 ; v1(92.174,104.315) 92.093,104.234 90.841,104.234 R161.2@90.839,104.233 90.584,104.231 90.381,104.435 89.761,104.435 89.761,104.437 ; CN6.43@99.865,123.141 101.727,123.139 v1(101.826,123.238)
  L4_SIG w0.102: v1(92.174,104.315) 92.072,104.315 91.361,103.604 91.361,102.994 91.539,102.817 92.479,102.817 93.337,103.675 93.337,103.817 92.921,104.234 92.921,104.376 93.066,104.521 93.21,104.521 93.624,104.107 93.769,104.107 93.911,104.249 93.911,104.394 93.497,104.808 93.497,104.953 93.642,105.098 93.784,105.098 94.201,104.681 94.343,104.681 94.488,104.826 94.488,104.968 94.071,105.385 94.071,105.527 94.216,105.672 94.358,105.672 94.775,105.255 94.917,105.255 95.08,105.418 95.08,105.562 94.666,105.976 94.666,106.121 94.811,106.266 94.953,106.266 95.369,105.849 95.512,105.849 95.656,105.994 95.656,106.136 95.24,106.553 95.24,106.695 95.385,106.84 95.529,106.84 95.943,106.426 96.088,106.426 96.23,106.568 96.23,106.713 95.816,107.127 95.816,107.272 95.959,107.414 96.103,107.414 96.517,107 96.662,107 96.807,107.145 96.807,107.287 96.39,107.704 96.39,107.846 96.535,107.991 96.677,107.991 97.094,107.574 97.236,107.574 97.381,107.719 97.381,107.864 96.967,108.278 96.967,108.422 97.109,108.565 97.254,108.565 97.668,108.151 97.813,108.151 97.955,108.293 97.955,108.438 97.541,108.852 97.541,108.996 97.686,109.141 97.828,109.141 98.245,108.725 98.387,108.725 98.549,108.887 98.549,109.339 98.448,109.441 98.245,109.441 98.143,109.543 98.143,109.746 98.245,109.847 98.448,109.847 98.549,109.949 98.549,110.152 98.448,110.254 98.245,110.254 98.143,110.355 98.143,110.559 98.245,110.66 98.448,110.66 98.549,110.762 98.549,110.99 98.448,111.092 98.245,111.092 98.143,111.194 98.143,111.397 98.245,111.498 98.448,111.498 98.549,111.6 98.549,111.803 98.448,111.905 98.245,111.905 98.143,112.006 98.143,112.21 98.245,112.311 98.448,112.311 98.549,112.413 98.549,112.616 98.448,112.718 98.245,112.718 98.143,112.819 98.143,113.022 98.245,113.124 98.448,113.124 98.549,113.226 98.549,113.429 98.448,113.53 98.245,113.53 98.143,113.632 98.143,113.835 98.245,113.937 98.448,113.937 98.549,114.038 98.549,114.275 98.448,114.376 98.245,114.376 98.143,114.478 98.143,114.681 98.245,114.783 98.448,114.783 98.549,114.884 98.549,115.087 98.448,115.189 98.245,115.189 98.143,115.291 98.143,115.494 98.245,115.595 98.448,115.595 98.549,115.697 98.549,115.9 98.448,116.002 98.245,116.002 98.143,116.103 98.143,116.307 98.245,116.408 98.448,116.408 98.549,116.51 98.549,116.713 98.448,116.815 98.245,116.815 98.143,116.916 98.143,117.119 98.245,117.221 98.448,117.221 98.549,117.323 98.549,117.64 98.448,117.742 98.245,117.742 98.143,117.843 98.143,118.047 98.245,118.148 98.448,118.148 98.549,118.25 98.549,118.768 98.768,118.989 98.913,118.989 99.06,118.839 99.205,118.839 99.347,118.984 99.347,119.126 99.2,119.276 99.2,119.418 99.344,119.563 99.487,119.563 99.637,119.413 99.779,119.413 99.924,119.558 99.924,119.703 99.774,119.85 101.034,121.11 101.755,121.11 101.928,121.282 101.928,121.486 101.826,121.587 101.191,121.587 101.064,121.714 101.064,121.892 101.191,122.019 101.75,122.019 101.877,122.146 101.877,122.349 101.775,122.451 101.14,122.451 101.039,122.552 101.039,122.756 101.14,122.857 101.775,122.857 101.877,122.959 101.877,123.187 v1(101.826,123.238)
  Bottom Layer w0.127: v1(84.935,113.332) 90.037,113.332 94.333,117.629 94.333,117.907 94.13,118.11 93.505,118.11 93.345,118.27 93.345,118.669 93.497,118.821 94.183,118.821 94.333,118.971 94.333,119.202 94.167,119.368 93.684,119.368 93.528,119.525 93.528,119.82 93.672,119.964 94.285,119.964 97.559,123.238 v1(101.826,123.238)